# KiCad board DG Nova CPU Tester.kicad_pcb
title: Data General Nova 1200 CPU Diagnostic; date: 2019-05-19; rev: Rev 0; company: Forgotten Machines
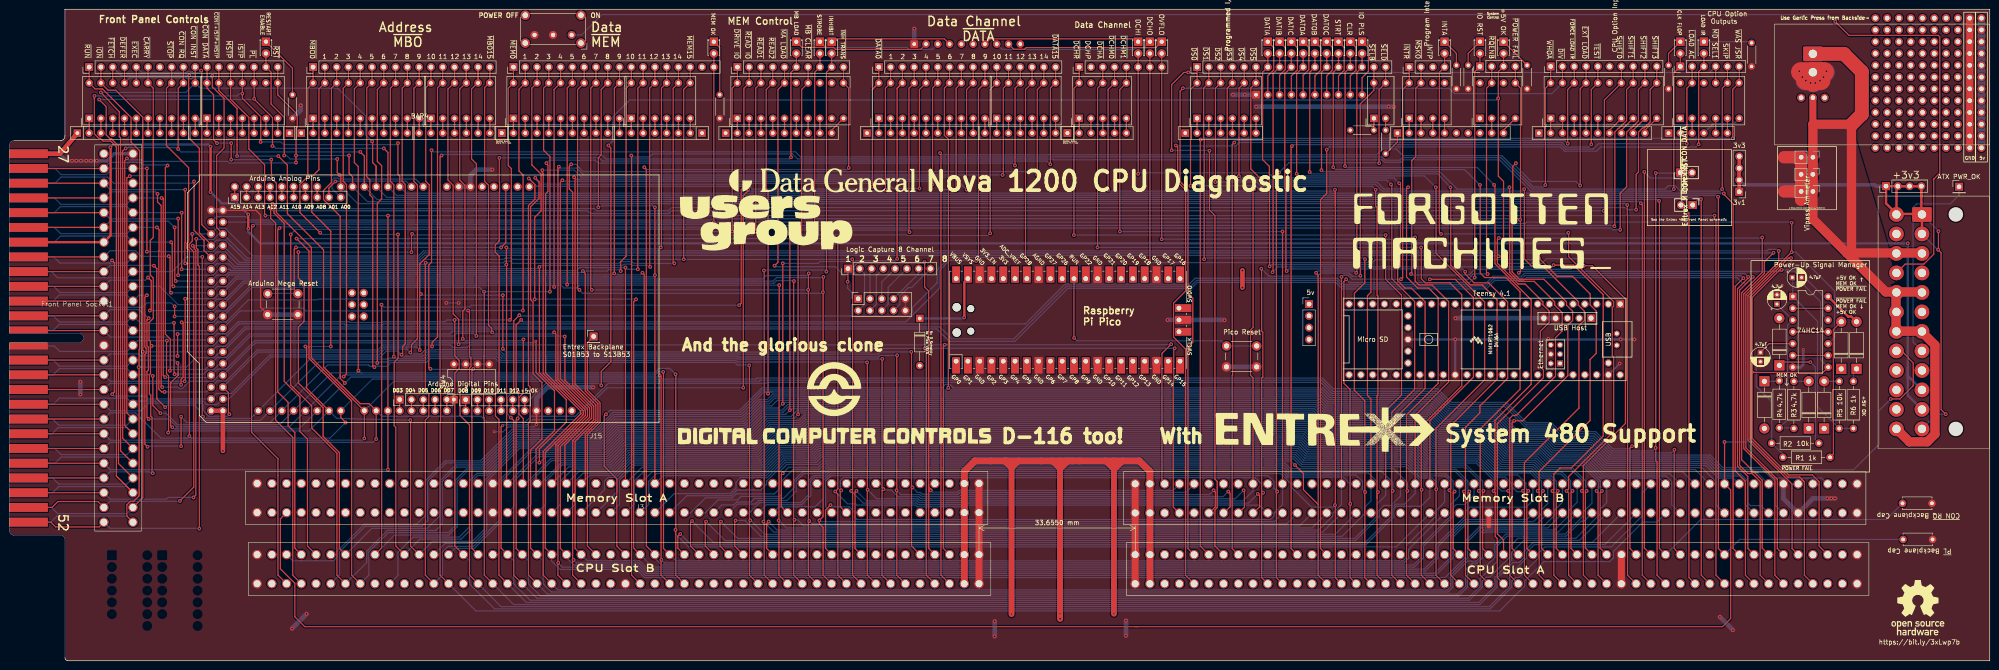
[diagram p0: board, top side]
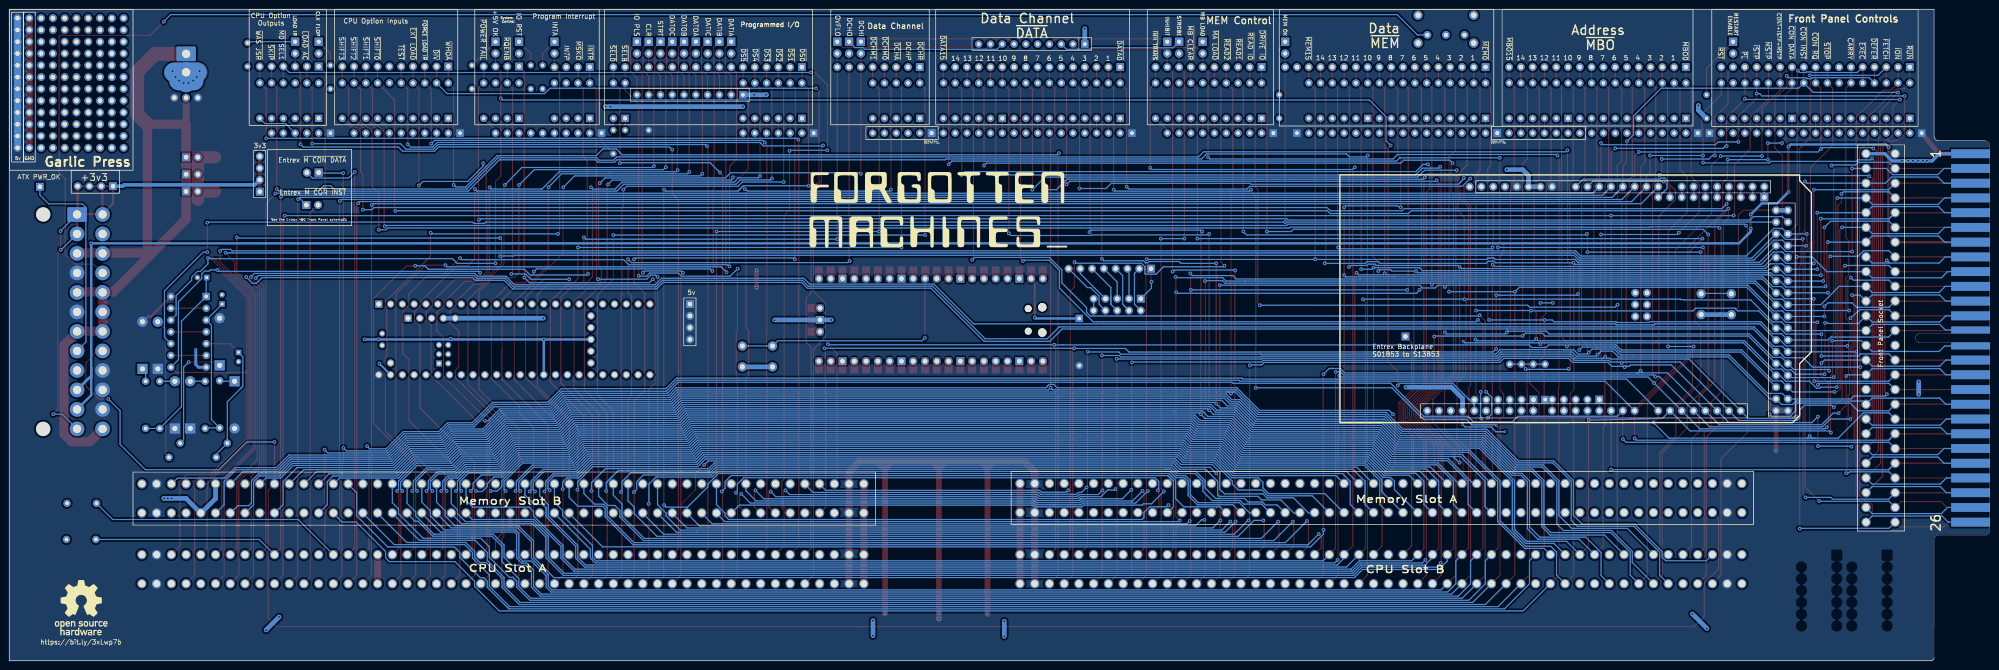
[diagram p1: board, bottom side, seen from below]

Outline 426.79 x 140.34 mm; copper layers: Top, Bottom. Coordinates in mm from the lower left corner of the outline.
Outline path: 0,111.03 0,70.53 15,70.53 arc(16,69.53) 15,68.53 0,68.53 0,28.03 arc(0.29,27.33) 1,27.03 11,27.03 arc(11.71,26.74) 12,26.03 12,0.63 arc(12.19,0.19) 12.64,0 426.78,0 426.79,140.34 12,140.34 12,113.03 arc(11.71,112.33) 11,112.03 1,112.03 arc(0.29,111.74) 0,111.03
Stack: Top 0.035mm / dielectric 1.51mm FR4 er 4.5 / Bottom 0.035mm

## Placement (name value [footprint] x y rotation side)
3v1  3v3  [PinHeader_1x04_P2.54mm_Vertical]  372.81 101.03 180 top
3v3  3v3  [PinHeader_1x04_P2.54mm_Vertical]  404.43 102.23 90 top
5vToBackBoard1  3v3  [PinHeader_1x04_P2.54mm_Vertical]  280.1 76.84 0 top
BAR1  -  [LED Bar 10]  17.21 116.84 0 top
BAR2  LED Bar 10  [LED Bar 7]  42.61 116.84 0 top
BAR3  -  [LED Bar 10]  65.47 116.84 0 top
BAR4  LED Bar 10  [LED Bar 6]  90.87 116.84 0 top
BAR5  -  [LED Bar 10]  108.65 116.84 0 top
BAR6  LED Bar 10  [LED Bar 6]  134.05 116.84 0 top
BAR7  -  [LED Bar 10]  156.91 116.84 0 top
BAR8  -  [LED Bar 10]  187.39 116.84 0 top
BAR9  LED Bar 10  [LED Bar 6]  212.79 116.84 0 top
BAR10  LED Bar 10  [LED Bar 6]  255.97 116.84 0 top
BAR11  LED Bar 10  [LED Bar 5]  230.57 116.84 0 top
BAR12  -  [LED Bar 2]  294.07 116.84 0 top
BAR13  -  [LED Bar 4]  301.69 116.84 0 top
BAR14  -  [LED Bar 4]  316.93 116.84 0 top
BAR15  -  [LED Bar 10]  332.17 116.84 0 top
BAR16  LED Bar 10  [LED Bar 6]  360.11 116.84 0 top
C1  ~{PL} Backplane Cap  [Disc Capacitor Common Entrex Trapezoid]  411.93 25.91 180 top
C2  ~{CON RQ} Backplane Cap  [Disc Capacitor Common Entrex Trapezoid]  411.8 33.69 180 top
C3  C  [CP_Radial_D4.0mm_P2.00mm]  377.38 66.42 270 top
C4  C  [CP_Radial_D4.0mm_P2.00mm]  380.94 76.84 90 top
C5  C  [CP_Radial_D4.0mm_P2.00mm]  384.24 82.55 0 top
D1  1N4004  [D_DO-41_SOD81_P10.16mm_Horizontal]  394.78 62.86 90 top
D2  1N4004  [D_DO-41_SOD81_P10.16mm_Horizontal]  381.45 63.63 90 top
D3  1N4004  [D_DO-41_SOD81_P10.16mm_Horizontal]  387.8 50.04 90 top
D4  1N4004  [D_DO-41_SOD81_P10.16mm_Horizontal]  378.23 60.2 270 top
D5  1N4004  [D_DO-41_SOD81_P10.16mm_Horizontal]  391.1 50.04 90 top
D6  1N4004  [D_DO-41_SOD81_P10.16mm_Horizontal]  398.08 62.86 90 top
D7  LED  [LED_D1.8mm_W3.3mm_H2.4mm]  55.31 133.35 270 top
D8  LED  [LED_D1.8mm_W3.3mm_H2.4mm]  151.83 133.35 270 top
D9  LED  [LED_D1.8mm_W3.3mm_H2.4mm]  169.61 133.35 270 top
D10  LED  [LED_D1.8mm_W3.3mm_H2.4mm]  174.69 133.35 270 top
D11  LED  [LED_D1.8mm_W3.3mm_H2.4mm]  177.23 133.35 270 top
D12  LED  [LED_D1.8mm_W3.3mm_H2.4mm]  271.21 133.35 270 top
D13  LED  [LED_D1.8mm_W3.3mm_H2.4mm]  243.27 133.35 270 top
D14  LED  [LED_D1.8mm_W3.3mm_H2.4mm]  245.81 133.35 270 top
D15  LED  [LED_D1.8mm_W3.3mm_H2.4mm]  248.35 133.35 270 top
D16  LED  [LED_D1.8mm_W3.3mm_H2.4mm]  273.75 133.35 270 top
D17  LED  [LED_D1.8mm_W3.3mm_H2.4mm]  276.29 133.35 270 top
D18  LED  [LED_D1.8mm_W3.3mm_H2.4mm]  283.91 133.35 270 top
D19  LED  [LED_D1.8mm_W3.3mm_H2.4mm]  286.45 133.35 270 top
D20  LED  [LED_D1.8mm_W3.3mm_H2.4mm]  288.99 133.35 270 top
D21  LED  [LED_D1.8mm_W3.3mm_H2.4mm]  278.83 133.35 270 top
D22  LED  [LED_D1.8mm_W3.3mm_H2.4mm]  281.37 133.35 270 top
D23  LED  [LED_D1.8mm_W3.3mm_H2.4mm]  291.53 133.35 270 top
D24  LED  [LED_D1.8mm_W3.3mm_H2.4mm]  322.01 133.35 270 top
D25  LED  [LED_D1.8mm_W3.3mm_H2.4mm]  309.31 133.35 270 top
D26  LED  [LED_D1.8mm_W3.3mm_H2.4mm]  316.93 133.35 270 top
D27  LED  [LED_D1.8mm_W3.3mm_H2.4mm]  365.19 133.35 270 top
D28  LED  [LED_D1.8mm_W3.3mm_H2.4mm]  360.11 133.35 270 top
D29  D_Schottky  [D_DO-35_SOD27_P10.16mm_Horizontal]  196.2 73.73 270 top
FPIMAGE1  MountingHole  [nova frontpanel layout]  -325.06 468 0 top
Front Panel Socket1  Front Panel Socket - Backside  [DG NOVA Front Pannel Connector - WireWrap pins - Backside]  23.38 70.22 0 top
J2  ~  [DG NOVA Backplane Connector - WireWrap pins - Frontside]  321.01 19.68 0 top
J3  ~  [DG NOVA Backplane Connector - WireWrap pins - Frontside]  131.78 19.69 0 top
J4  ATX Power Port  [Connector_2x12_P4.2mmx5.5mm (ATX Plug)]  406.68 96.14 90 top
J5  Front Panel Card Edge  [DG Nova Front Panel Card Edge]  2.42 69.74 0 top
J6  MBO  [PinHeader_1x16_P2.54mm_Vertical]  65.47 127.89 90 top
J7  MEM  [PinHeader_1x18_P2.54mm_Vertical]  108.65 127.89 90 top
J8  Data Channel  [PinHeader_1x16_P2.54mm_Vertical]  187.39 127.89 90 top
J9  Front Panel Controls  [PinHeader_1x17_P2.54mm_Vertical]  17.21 127.89 90 top
J10  Programmed I/O  [PinHeader_1x17_P2.54mm_Vertical]  255.97 127.89 90 top
J11  CPU Option Inputs  [PinHeader_1x10_P2.54mm_Vertical]  332.17 128.02 90 top
J12  Data Channel  [PinHeader_1x08_P2.54mm_Vertical]  230.57 127.89 90 top
J13  Program Interrupt  [PinHeader_1x04_P2.54mm_Vertical]  301.69 127.89 90 top
J14  System Control  [PinHeader_1x04_P2.54mm_Vertical]  316.93 128.02 90 top
J15  Slot_02x50_Odd_Even  [DG NOVA Backplane Connector - WireWrap pins - Backside]  130.6 35 0 top
J16  Slot_02x50_Odd_Even  [DG NOVA Backplane Connector - WireWrap pins - Backside]  319.83 34.92 0 top
J17  CPU Option Outputs  [PinHeader_1x06_P2.54mm_Vertical]  360.11 128.02 90 top
J18  MEM Control Outputs  [PinHeader_1x10_P2.54mm_Vertical]  156.91 127.89 90 top
J19  Logic 8 CH  [PinHeader_2x05_P2.54mm_Vertical - Backside]  182.94 77.98 90 top
J20  Logic 8 CH  [PinHeader_1x08_P2.54mm_Vertical]  180.74 84.45 90 top
J21  Arduino Anolog Pins  [PinHeader_1x10_P2.54mm_Vertical]  48.58 99.82 90 top
J22  Arduino Digital Pins  [PinHeader_1x05_P2.54mm_Vertical]  84.14 56.26 90 top
J23  Arduino Digital Pins  [PinHeader_1x06_P2.54mm_Vertical]  98.34 56.24 90 top
JP1  Vipass Ammeter  [PinHeader_1x02_P2.54mm_Vertical]  388.68 104.78 270 top
JP2  Entrex ~{M CON DATA}  [PinHeader_1x02_P2.54mm_Vertical]  360.11 105.16 90 top
JP2#2  Entrex ~{M CON DATA}  [PinHeader_1x02_P2.54mm_Vertical]  360.11 105.16 90 top
JP3  Entrex ~{M CON INST}  [PinHeader_1x02_P2.54mm_Vertical]  362.78 98.17 270 top
JP3#2  Entrex ~{M CON INST}  [PinHeader_1x02_P2.54mm_Vertical]  362.78 98.17 270 top
JP4  Vipass Ammeter  [PinHeader_1x02_P2.54mm_Vertical]  388.69 101.09 270 top
JP5  Vipass Ammeter  [PinHeader_1x02_P2.54mm_Vertical]  388.69 108.46 270 top
MES1  XK-001  [XK-001_Volt-Amp_Meter - Backside]  403.93 124.46 0 top
R1  1k  [R_Axial_DIN0207_L6.3mm_D2.5mm_P10.16mm_Horizontal]  392.37 43.81 180 top
R2  10k  [R_Axial_DIN0207_L6.3mm_D2.5mm_P10.16mm_Horizontal]  379.8 46.86 0 top
R3  4.7k  [R_Axial_DIN0207_L6.3mm_D2.5mm_P10.16mm_Horizontal]  384.58 60.2 270 top
R4  4.7k  [R_Axial_DIN0207_L6.3mm_D2.5mm_P10.16mm_Horizontal]  381.45 50.17 90 top
R5  10k  [R_Axial_DIN0207_L6.3mm_D2.5mm_P10.16mm_Horizontal]  394.36 60.2 270 top
R6  1k  [R_Axial_DIN0207_L6.3mm_D2.5mm_P10.16mm_Horizontal]  397.41 50.04 90 top
R7  R_US  [R_Axial_DIN0204_L3.6mm_D1.6mm_P5.08mm_Horizontal]  61.02 116.84 90 top
R8  R_US  [R_Axial_DIN0204_L3.6mm_D1.6mm_P5.08mm_Horizontal]  153.1 116.84 90 top
R9  R_US  [R_Axial_DIN0204_L3.6mm_D1.6mm_P5.08mm_Horizontal]  296.61 109.22 90 top
R10  R_US  [R_Axial_DIN0204_L3.6mm_D1.6mm_P5.08mm_Horizontal]  288.99 114.3 0 top
R11  R_US  [R_Axial_DIN0204_L3.6mm_D1.6mm_P5.08mm_Horizontal]  311.85 123.19 90 top
R12  R_US  [R_Axial_DIN0204_L3.6mm_D1.6mm_P5.08mm_Horizontal]  314.39 123.19 90 top
R13  R_US  [R_Axial_DIN0204_L3.6mm_D1.6mm_P5.08mm_Horizontal]  375.48 128.02 90 top
R14  R_US  [R_Axial_DIN0204_L3.6mm_D1.6mm_P5.08mm_Horizontal]  327.09 123.19 90 top
R15  R_US  [R_Axial_DIN0204_L3.6mm_D1.6mm_P5.08mm_Horizontal]  357.57 123.19 90 top
REF**  -  [OSHW-Logo_11.4x12mm_SilkScreen]  411.29 11.43 0 top
REF**1  -  [Single Thru-Hole]  404.69 138.43 0 top
REF**2  -  [Single Thru-Hole]  407.23 138.43 0 top
REF**3  -  [Single Thru-Hole]  409.77 138.43 0 top
REF**4  -  [Single Thru-Hole]  412.31 138.43 0 top
REF**5  -  [Single Thru-Hole]  414.85 138.43 0 top
REF**6  -  [Single Thru-Hole]  417.39 138.43 0 top
REF**7  -  [Single Thru-Hole]  419.93 138.43 0 top
REF**8  -  [Single Thru-Hole]  422.47 138.43 0 top
REF**9  -  [Single Thru-Hole]  425.01 138.43 0 top
REF**10  -  [Single Thru-Hole]  402.15 135.89 0 top
REF**11  -  [Single Thru-Hole]  404.69 135.89 0 top
REF**12  -  [Single Thru-Hole]  407.23 135.89 0 top
REF**13  -  [Single Thru-Hole]  409.77 135.89 0 top
REF**14  -  [Single Thru-Hole]  412.31 135.89 0 top
REF**15  -  [Single Thru-Hole]  414.85 135.89 0 top
REF**16  -  [Single Thru-Hole]  417.39 135.89 0 top
REF**17  -  [Single Thru-Hole]  419.93 135.89 0 top
REF**18  -  [Single Thru-Hole]  422.47 135.89 0 top
REF**19  -  [Single Thru-Hole]  425.01 135.89 0 top
REF**20  -  [Single Thru-Hole]  402.15 133.35 0 top
REF**21  -  [Single Thru-Hole]  404.69 133.35 0 top
REF**22  -  [Single Thru-Hole]  407.23 133.35 0 top
REF**23  -  [Single Thru-Hole]  409.77 133.35 0 top
REF**24  -  [Single Thru-Hole]  412.31 133.35 0 top
REF**25  -  [Single Thru-Hole]  414.85 133.35 0 top
REF**26  -  [Single Thru-Hole]  417.39 133.35 0 top
REF**27  -  [Single Thru-Hole]  419.93 133.35 0 top
REF**28  -  [Single Thru-Hole]  422.47 133.35 0 top
REF**29  -  [Single Thru-Hole]  425.01 133.35 0 top
REF**30  -  [Single Thru-Hole]  402.15 130.81 0 top
REF**31  -  [Single Thru-Hole]  404.69 130.81 0 top
REF**32  -  [Single Thru-Hole]  407.23 130.81 0 top
REF**33  -  [Single Thru-Hole]  409.77 130.81 0 top
REF**34  -  [Single Thru-Hole]  412.31 130.81 0 top
REF**35  -  [Single Thru-Hole]  414.85 130.81 0 top
REF**36  -  [Single Thru-Hole]  417.39 130.81 0 top
REF**37  -  [Single Thru-Hole]  419.93 130.81 0 top
REF**38  -  [Single Thru-Hole]  422.47 130.81 0 top
REF**39  -  [Single Thru-Hole]  425.01 130.81 0 top
REF**40  -  [Single Thru-Hole]  402.15 128.27 0 top
REF**41  -  [Single Thru-Hole]  404.69 128.27 0 top
REF**42  -  [Single Thru-Hole]  407.23 128.27 0 top
REF**43  -  [Single Thru-Hole]  409.77 128.27 0 top
REF**44  -  [Single Thru-Hole]  412.31 128.27 0 top
REF**45  -  [Single Thru-Hole]  414.85 128.27 0 top
REF**46  -  [Single Thru-Hole]  417.39 128.27 0 top
REF**47  -  [Single Thru-Hole]  419.93 128.27 0 top
REF**48  -  [Single Thru-Hole]  422.47 128.27 0 top
REF**49  -  [Single Thru-Hole]  425.01 128.27 0 top
REF**50  -  [Single Thru-Hole]  402.15 125.73 0 top
REF**51  -  [Single Thru-Hole]  404.69 125.73 0 top
REF**52  -  [Single Thru-Hole]  407.23 125.73 0 top
REF**53  -  [Single Thru-Hole]  409.77 125.73 0 top
REF**54  -  [Single Thru-Hole]  412.31 125.73 0 top
REF**55  -  [Single Thru-Hole]  414.85 125.73 0 top
REF**56  -  [Single Thru-Hole]  417.39 125.73 0 top
REF**57  -  [Single Thru-Hole]  419.93 125.73 0 top
REF**58  -  [Single Thru-Hole]  422.47 125.73 0 top
REF**59  -  [Single Thru-Hole]  425.01 125.73 0 top
REF**60  -  [Single Thru-Hole]  402.15 123.19 0 top
REF**61  -  [Single Thru-Hole]  404.69 123.19 0 top
REF**62  -  [Single Thru-Hole]  407.23 123.19 0 top
REF**63  -  [Single Thru-Hole]  409.77 123.19 0 top
REF**64  -  [Single Thru-Hole]  412.31 123.19 0 top
REF**65  -  [Single Thru-Hole]  414.85 123.19 0 top
REF**66  -  [Single Thru-Hole]  417.39 123.19 0 top
REF**67  -  [Single Thru-Hole]  419.93 123.19 0 top
REF**68  -  [Single Thru-Hole]  422.47 123.19 0 top
REF**69  -  [Single Thru-Hole]  425.01 123.19 0 top
REF**70  -  [Single Thru-Hole]  402.15 120.65 0 top
REF**71  -  [Single Thru-Hole]  404.69 120.65 0 top
REF**72  -  [Single Thru-Hole]  407.23 120.65 0 top
REF**73  -  [Single Thru-Hole]  409.77 120.65 0 top
REF**74  -  [Single Thru-Hole]  412.31 120.65 0 top
REF**75  -  [Single Thru-Hole]  414.85 120.65 0 top
REF**76  -  [Single Thru-Hole]  417.39 120.65 0 top
REF**77  -  [Single Thru-Hole]  419.93 120.65 0 top
REF**78  -  [Single Thru-Hole]  422.47 120.65 0 top
REF**79  -  [Single Thru-Hole]  425.01 120.65 0 top
REF**80  -  [Single Thru-Hole]  402.15 118.11 0 top
REF**81  -  [Single Thru-Hole]  404.69 118.11 0 top
REF**82  -  [Single Thru-Hole]  407.23 118.11 0 top
REF**83  -  [Single Thru-Hole]  409.77 118.11 0 top
REF**84  -  [Single Thru-Hole]  412.31 118.11 0 top
REF**85  -  [Single Thru-Hole]  414.85 118.11 0 top
REF**86  -  [Single Thru-Hole]  417.39 118.11 0 top
REF**87  -  [Single Thru-Hole]  419.93 118.11 0 top
REF**88  -  [Single Thru-Hole]  422.47 118.11 0 top
REF**89  -  [Single Thru-Hole]  425.01 118.11 0 top
REF**90  -  [Single Thru-Hole]  402.15 115.57 0 top
REF**91  -  [Single Thru-Hole]  404.69 115.57 0 top
REF**92  -  [Single Thru-Hole]  407.23 115.57 0 top
REF**93  -  [Single Thru-Hole]  409.77 115.57 0 top
REF**94  -  [Single Thru-Hole]  412.31 115.57 0 top
REF**95  -  [Single Thru-Hole]  414.85 115.57 0 top
REF**96  -  [Single Thru-Hole]  417.39 115.57 0 top
REF**97  -  [Single Thru-Hole]  419.93 115.57 0 top
REF**98  -  [Single Thru-Hole]  422.47 115.57 0 top
REF**99  -  [Single Thru-Hole]  425.01 115.57 0 top
REF**100  -  [Single Thru-Hole]  402.15 113.03 0 top
REF**101  -  [Single Thru-Hole]  404.69 113.03 0 top
REF**102  -  [Single Thru-Hole]  407.23 113.03 0 top
REF**103  -  [Single Thru-Hole]  409.77 113.03 0 top
REF**104  -  [Single Thru-Hole]  412.31 113.03 0 top
REF**105  -  [Single Thru-Hole]  414.85 113.03 0 top
REF**106  -  [Single Thru-Hole]  417.39 113.03 0 top
REF**107  -  [Single Thru-Hole]  419.93 113.03 0 top
REF**108  -  [Single Thru-Hole]  422.47 113.03 0 top
REF**109  -  [Single Thru-Hole]  425.01 113.03 0 top
REF**110  -  [Single Thru-Hole]  402.15 110.49 0 top
REF**111  -  [Single Thru-Hole]  404.69 110.49 0 top
REF**112  -  [Single Thru-Hole]  407.23 110.49 0 top
REF**113  -  [Single Thru-Hole]  409.77 110.49 0 top
REF**114  -  [Single Thru-Hole]  412.31 110.49 0 top
REF**115  -  [Single Thru-Hole]  414.85 110.49 0 top
REF**116  -  [Single Thru-Hole]  417.39 110.49 0 top
REF**117  -  [Single Thru-Hole]  419.93 110.49 0 top
REF**118  -  [Single Thru-Hole]  422.47 110.49 0 top
REF**119  -  [Single Thru-Hole]  425.01 110.49 0 top
REF**#2  -  [Single Thru-Hole]  402.15 138.43 0 top
REF**#3  -  [OSHW-Logo_11.4x12mm_SilkScreen]  411.29 11.43 180 bottom
RN1  R_Network09_US  [R_Array_SIP10]  14.67 113.66 0 top
RN2  R_Network08_US  [R_Array_SIP9]  60.39 113.66 180 top
RN3  R_Network09_US  [R_Array_SIP10]  62.93 113.66 0 top
RN4  R_Network07_US  [R_Array_SIP8]  106.11 113.66 180 top
RN5  R_Network09_US  [R_Array_SIP10]  106.11 113.66 0 top
RN6  R_Network07_US  [R_Array_SIP8]  149.29 113.66 180 top
RN7  R_Network09_US  [R_Array_SIP10]  154.37 113.66 0 top
RN8  R_Network09_US  [R_Array_SIP10]  184.85 113.66 0 top
RN9  R_Network07_US  [R_Array_SIP8]  228.03 113.66 180 top
RN10  R_Network05_US  [R_Array_SIP6]  228.03 113.66 0 top
RN11  R_Network09_US  [R_Array_SIP10]  195.01 132.84 0 bottom
RN12  R_Network06_US  [R_Array_SIP7]  253.43 113.66 0 top
RN13  R_Network09_US  [R_Array_SIP10]  299.15 113.66 0 top
RN14  R_Network09_US  [R_Array_SIP10]  268.67 121.92 0 bottom
RN15  R_Network09_US  [R_Array_SIP10]  329.63 113.66 0 top
RN16  R_Network05_US  [R_Array_SIP6]  357.57 113.66 0 top
SW1  Arduino Mega Reset  [SW_PUSH_6mm]  62.19 74.56 180 top
SW2  Power Swtich  [SW_E-Switch_EG1224_SPDT_Angled]  121.19 134.81 180 top
SW3  Pico Reset  [SW_PUSH_6mm]  268.81 63.31 180 top
SW4  SW_DIP_x04  [DIP-8_W7.62mm]  95.82 56.26 90 top
Teensy 4.1  Teensy4.1  [Teensy41]  317.95 69.22 180 top
TP1  Entrex Backplane S01B53 to S13B53  [PinHeader_1x01_P2.54mm_Vertical]  125.92 69.85 0 top
TP2  ATX PWR_OK  [PinHeader_1x01_P2.54mm_Vertical]  420.18 102.11 0 top
U1  74HC14  [DIP-14_W7.62mm]  384.34 78.46 0 top
U2  Pico  [RPi_Pico_SMD_TH]  228.17 73.42 90 top
XA1  -  [Arduino_Mega2560_Shield]  140.02 104.65 180 top

## Library data of the parts
3v1 3v3 5vToBackBoard1 J13 J14 = -: Description: Generic connector, single row, 01x04, script generated (kicad-library-utils/schlib/autogen/connector/)
C1 C2 = -: Description: Capacitor Common Entrex Trapezoid
C3-C5 = -: Description: Polarized capacitor
D1-D6 = -: Description: 400V 1A General Purpose Rectifier Diode, DO-41
D7-D28 = -: Description: Light emitting diode
D29 = -: Description: Schottky diode
J2 J3 = -: Description: Generic connector, double row, 02x40, odd/even pin numbering scheme (row 1 odd numbers, row 2 even numbers), script generated (kicad-library-utils/schlib/autogen/connector/)
J4 = -: Description: ATX Power supply 24pins
J6 J8 = -: Description: Generic connector, single row, 01x16, script generated (kicad-library-utils/schlib/autogen/connector/)
J7 = -: Description: Generic connector, single row, 01x18, script generated (kicad-library-utils/schlib/autogen/connector/)
J9 J10 = -: Description: Generic connector, single row, 01x17, script generated (kicad-library-utils/schlib/autogen/connector/)
J11 J18 J21 = -: Description: Generic connector, single row, 01x10, script generated (kicad-library-utils/schlib/autogen/connector/)
J12 J20 = -: Description: Generic connector, single row, 01x08, script generated (kicad-library-utils/schlib/autogen/connector/)
J17 J23 = -: Description: Generic connector, single row, 01x06, script generated (kicad-library-utils/schlib/autogen/connector/)
J19 = -: Description: Generic connector, double row, 02x05, odd/even pin numbering scheme (row 1 odd numbers, row 2 even numbers), script generated (kicad-library-utils/schlib/autogen/connector/)
J22 = -: Description: Generic connector, single row, 01x05, script generated (kicad-library-utils/schlib/autogen/connector/)
JP1 JP2 JP2#2 JP3 JP3#2 JP4 JP5 = -: Description: Jumper, 2-pole, open
MES1 = -: Description: DC volt & amp meter
R1-R6 = -: Description: Resistor
R7-R15 = -: Description: Resistor, US symbol
RN1 RN3 RN5 RN7 RN8 RN11 RN13-RN15 = -: Description: 9 resistor network, star topology, bussed resistors, small US symbol
RN2 = -: Description: 8 resistor network, star topology, bussed resistors, small US symbol
RN4 RN6 RN9 = -: Description: 7 resistor network, star topology, bussed resistors, small US symbol
RN10 RN16 = -: Description: 5 resistor network, star topology, bussed resistors, small US symbol
RN12 = -: Description: 6 resistor network, star topology, bussed resistors, small US symbol
SW1 SW3 = -: Description: Push button switch, generic, two pins
SW2 = -: Description: Momentary Switch, dual pole double throw
SW4 = -: Description: 4x DIP Switch, Single Pole Single Throw (SPST) switch, small symbol
TP1 TP2 = -: Description: test point
U1 = -: Description: Hex inverter schmitt trigger
XA1 = -: Description: Shield for Arduino Mega 2560

## Footprints (pads in the part's own frame, mm; a bottom-side part is the same pattern mirrored in y, then rotated)
Arduino_Mega2560_Shield
  oval 1.727x1.727 hole 1.016: (27.94,2.54) 3V3(35.56,2.54) 5V1(38.1,2.54) 5V2(66.167,30.48) 5V3(93.98,50.8) 5V4(96.52,50.8) A0(50.8,2.54) A1(53.34,2.54) A2(55.88,2.54) A3(58.42,2.54) A4(60.96,2.54) A5(63.5,2.54) A6(66.04,2.54) A7(68.58,2.54) A8(73.66,2.54) A9(76.2,2.54) A10(78.74,2.54) A11(81.28,2.54) A12(83.82,2.54) A13(86.36,2.54) A14(88.9,2.54) A15(91.44,2.54) AREF(23.876,50.8) D0(63.5,50.8) D1(60.96,50.8) D2(58.42,50.8) D3(55.88,50.8) D4(53.34,50.8) D5(50.8,50.8) D6(48.26,50.8) D7(45.72,50.8) D8(41.656,50.8) D9(39.116,50.8) D10(36.576,50.8) D11(34.036,50.8) D12(31.496,50.8) D13(28.956,50.8) D14(68.58,50.8) D15(71.12,50.8) D16(73.66,50.8) D17(76.2,50.8) D18(78.74,50.8) D19(81.28,50.8) D20(83.82,50.8) D21(86.36,50.8) D22(93.98,48.26) D23(96.52,48.26) D24(93.98,45.72) D25(96.52,45.72) D26(93.98,43.18) D27(96.52,43.18) D28(93.98,40.64) D29(96.52,40.64) D30(93.98,38.1) D31(96.52,38.1) D32(93.98,35.56) D33(96.52,35.56) D34(93.98,33.02) D35(96.52,33.02) D36(93.98,30.48) D37(96.52,30.48) D38(93.98,27.94) D39(96.52,27.94) D40(93.98,25.4) D41(96.52,25.4) D42(93.98,22.86) D43(96.52,22.86) D44(93.98,20.32) D45(96.52,20.32) D46(93.98,17.78) D47(96.52,17.78) D48(93.98,15.24) D49(96.52,15.24) D50(93.98,12.7) D51(96.52,12.7) D52(93.98,10.16) D53(96.52,10.16) GND1(26.416,50.8) GND2(40.64,2.54) GND3(43.18,2.54) GND4(66.167,25.4) GND5(93.98,7.62) GND6(96.52,7.62) IORF(30.48,2.54) MISO(63.627,30.48) MOSI(66.167,27.94) RST1(33.02,2.54) RST2(63.627,25.4) SCK(63.627,27.94) SCL(18.796,50.8) SDA(21.336,50.8) VIN(45.72,2.54)
Connector_2x12_P4.2mmx5.5mm (ATX Plug)
  round 3.16 hole 3: (-46.2,-12.8) (0,-12.8)
  rrect 3.16x4.2 hole 1.8: 1(0,-5.5)
  round 3.16 hole 1.8: 2(-4.2,-5.5) 3(-8.4,-5.5) 4(-12.6,-5.5) 5(-16.8,-5.5) 6(-21,-5.5) 7(-25.2,-5.5) 8(-29.4,-5.5) 9(-33.6,-5.5) 10(-37.8,-5.5) 11(-42,-5.5) 12(-46.2,-5.5) 13(0,0) 14(-4.2,0) 15(-8.4,0) 16(-12.6,0) 17(-16.8,0) 18(-21,0) 19(-25.2,0) 20(-29.4,0) 21(-33.6,0) 22(-37.8,0) 23(-42,0) 24(-46.2,0)
CP_Radial_D4.0mm_P2.00mm
  rect 1.2x1.2 hole 0.6: 1(0,0)
  round 1.2 hole 0.6: 2(2,0)
D_DO-35_SOD27_P10.16mm_Horizontal
  rect 1.6x1.6 hole 0.8: 1(0,0)
  oval 1.6x1.6 hole 0.8: 2(10.16,0)
D_DO-41_SOD81_P10.16mm_Horizontal
  rect 2.2x2.2 hole 1.1: 1(0,0)
  oval 2.2x2.2 hole 1.1: 2(10.16,0)
DG NOVA Backplane Connector - WireWrap pins - Backside
  round 2 hole 1.5: 1(-77.2,3.175) 2(-77.2,-3.095) 3(-74.025,3.175) 4(-74.025,-3.095) 5(-70.85,3.175) 6(-70.85,-3.095) 7(-67.675,3.175) 8(-67.675,-3.095) 9(-64.5,3.175) 10(-64.5,-3.095) 11(-61.325,3.175) 12(-61.325,-3.095) 13(-58.15,3.175) 14(-58.15,-3.095) 15(-54.975,3.175) 16(-54.975,-3.095) 17(-51.8,3.175) 18(-51.8,-3.095) 19(-48.625,3.175) 20(-48.625,-3.095) 21(-45.45,3.175) 22(-45.45,-3.095) 23(-42.275,3.175) 24(-42.275,-3.095) 25(-39.1,3.175) 26(-39.1,-3.095) 27(-35.925,3.175) 28(-35.925,-3.095) 29(-32.75,3.175) 30(-32.75,-3.095) 31(-29.575,3.175) 32(-29.575,-3.095) 33(-26.4,3.175) 34(-26.4,-3.095) 35(-23.225,3.175) 36(-23.225,-3.095) 37(-20.05,3.175) 38(-20.05,-3.095) 39(-16.875,3.175) 40(-16.875,-3.095) 41(-13.7,3.175) 42(-13.7,-3.095) 43(-10.525,3.175) 44(-10.525,-3.095) 45(-7.35,3.175) 46(-7.35,-3.095) 47(-4.175,3.175) 48(-4.175,-3.095) 49(-1,3.175) 50(-1,-3.095) 51(2.175,3.175) 52(2.175,-3.095) 53(5.35,3.175) 54(5.35,-3.095) 55(8.525,3.175) 56(8.525,-3.095) 57(11.7,3.175) 58(11.7,-3.095) 59(14.875,3.175) 60(14.875,-3.095) 61(18.05,3.175) 62(18.05,-3.095) 63(21.225,3.175) 64(21.225,-3.095) 65(24.4,3.175) 66(24.4,-3.095) 67(27.575,3.175) 68(27.575,-3.095) 69(30.75,3.175) 70(30.75,-3.095) 71(33.925,3.175) 72(33.925,-3.095) 73(37.1,3.175) 74(37.1,-3.095) 75(40.275,3.175) 76(40.275,-3.095) 77(43.45,3.175) 78(43.45,-3.095) 79(46.625,3.175) 80(46.625,-3.095) 81(49.8,3.175) 82(49.8,-3.095) 83(52.975,3.175) 84(52.975,-3.095) 85(56.15,3.175) 86(56.15,-3.095) 87(59.325,3.175) 88(59.325,-3.095) 89(62.5,3.175) 90(62.5,-3.095) 91(65.675,3.175) 92(65.675,-3.095) 93(68.85,3.175) 94(68.85,-3.095) 95(72.025,3.175) 96(72.025,-3.095) 97(75.2,3.175) 98(75.2,-3.095) 99(78.375,3.175) 100(78.375,-3.095)
DG NOVA Backplane Connector - WireWrap pins - Frontside
  round 2 hole 1.5: 1(77.2,3.175) 2(77.2,-3.095) 3(74.025,3.175) 4(74.025,-3.095) 5(70.85,3.175) 6(70.85,-3.095) 7(67.675,3.175) 8(67.675,-3.095) 9(64.5,3.175) 10(64.5,-3.095) 11(61.325,3.175) 12(61.325,-3.095) 13(58.15,3.175) 14(58.15,-3.095) 15(54.975,3.175) 16(54.975,-3.095) 17(51.8,3.175) 18(51.8,-3.095) 19(48.625,3.175) 20(48.625,-3.095) 21(45.45,3.175) 22(45.45,-3.095) 23(42.275,3.175) 24(42.275,-3.095) 25(39.1,3.175) 26(39.1,-3.095) 27(35.925,3.175) 28(35.925,-3.095) 29(32.75,3.175) 30(32.75,-3.095) 31(29.575,3.175) 32(29.575,-3.095) 33(26.4,3.175) 34(26.4,-3.095) 35(23.225,3.175) 36(23.225,-3.095) 37(20.05,3.175) 38(20.05,-3.095) 39(16.875,3.175) 40(16.875,-3.095) 41(13.7,3.175) 42(13.7,-3.095) 43(10.525,3.175) 44(10.525,-3.095) 45(7.35,3.175) 46(7.35,-3.095) 47(4.175,3.175) 48(4.175,-3.095) 49(1,3.175) 50(1,-3.095) 51(-2.175,3.175) 52(-2.175,-3.095) 53(-5.35,3.175) 54(-5.35,-3.095) 55(-8.525,3.175) 56(-8.525,-3.095) 57(-11.7,3.175) 58(-11.7,-3.095) 59(-14.875,3.175) 60(-14.875,-3.095) 61(-18.05,3.175) 62(-18.05,-3.095) 63(-21.225,3.175) 64(-21.225,-3.095) 65(-24.4,3.175) 66(-24.4,-3.095) 67(-27.575,3.175) 68(-27.575,-3.095) 69(-30.75,3.175) 70(-30.75,-3.095) 71(-33.925,3.175) 72(-33.925,-3.095) 73(-37.1,3.175) 74(-37.1,-3.095) 75(-40.275,3.175) 76(-40.275,-3.095) 77(-43.45,3.175) 78(-43.45,-3.095) 79(-46.625,3.175) 80(-46.625,-3.095) 81(-49.8,3.175) 82(-49.8,-3.095) 83(-52.975,3.175) 84(-52.975,-3.095) 85(-56.15,3.175) 86(-56.15,-3.095) 87(-59.325,3.175) 88(-59.325,-3.095) 89(-62.5,3.175) 90(-62.5,-3.095) 91(-65.675,3.175) 92(-65.675,-3.095) 93(-68.85,3.175) 94(-68.85,-3.095) 95(-72.025,3.175) 96(-72.025,-3.095) 97(-75.2,3.175) 98(-75.2,-3.095) 99(-78.375,3.175) 100(-78.375,-3.095)